# KiCad board PC110.kicad_pcb (continued)
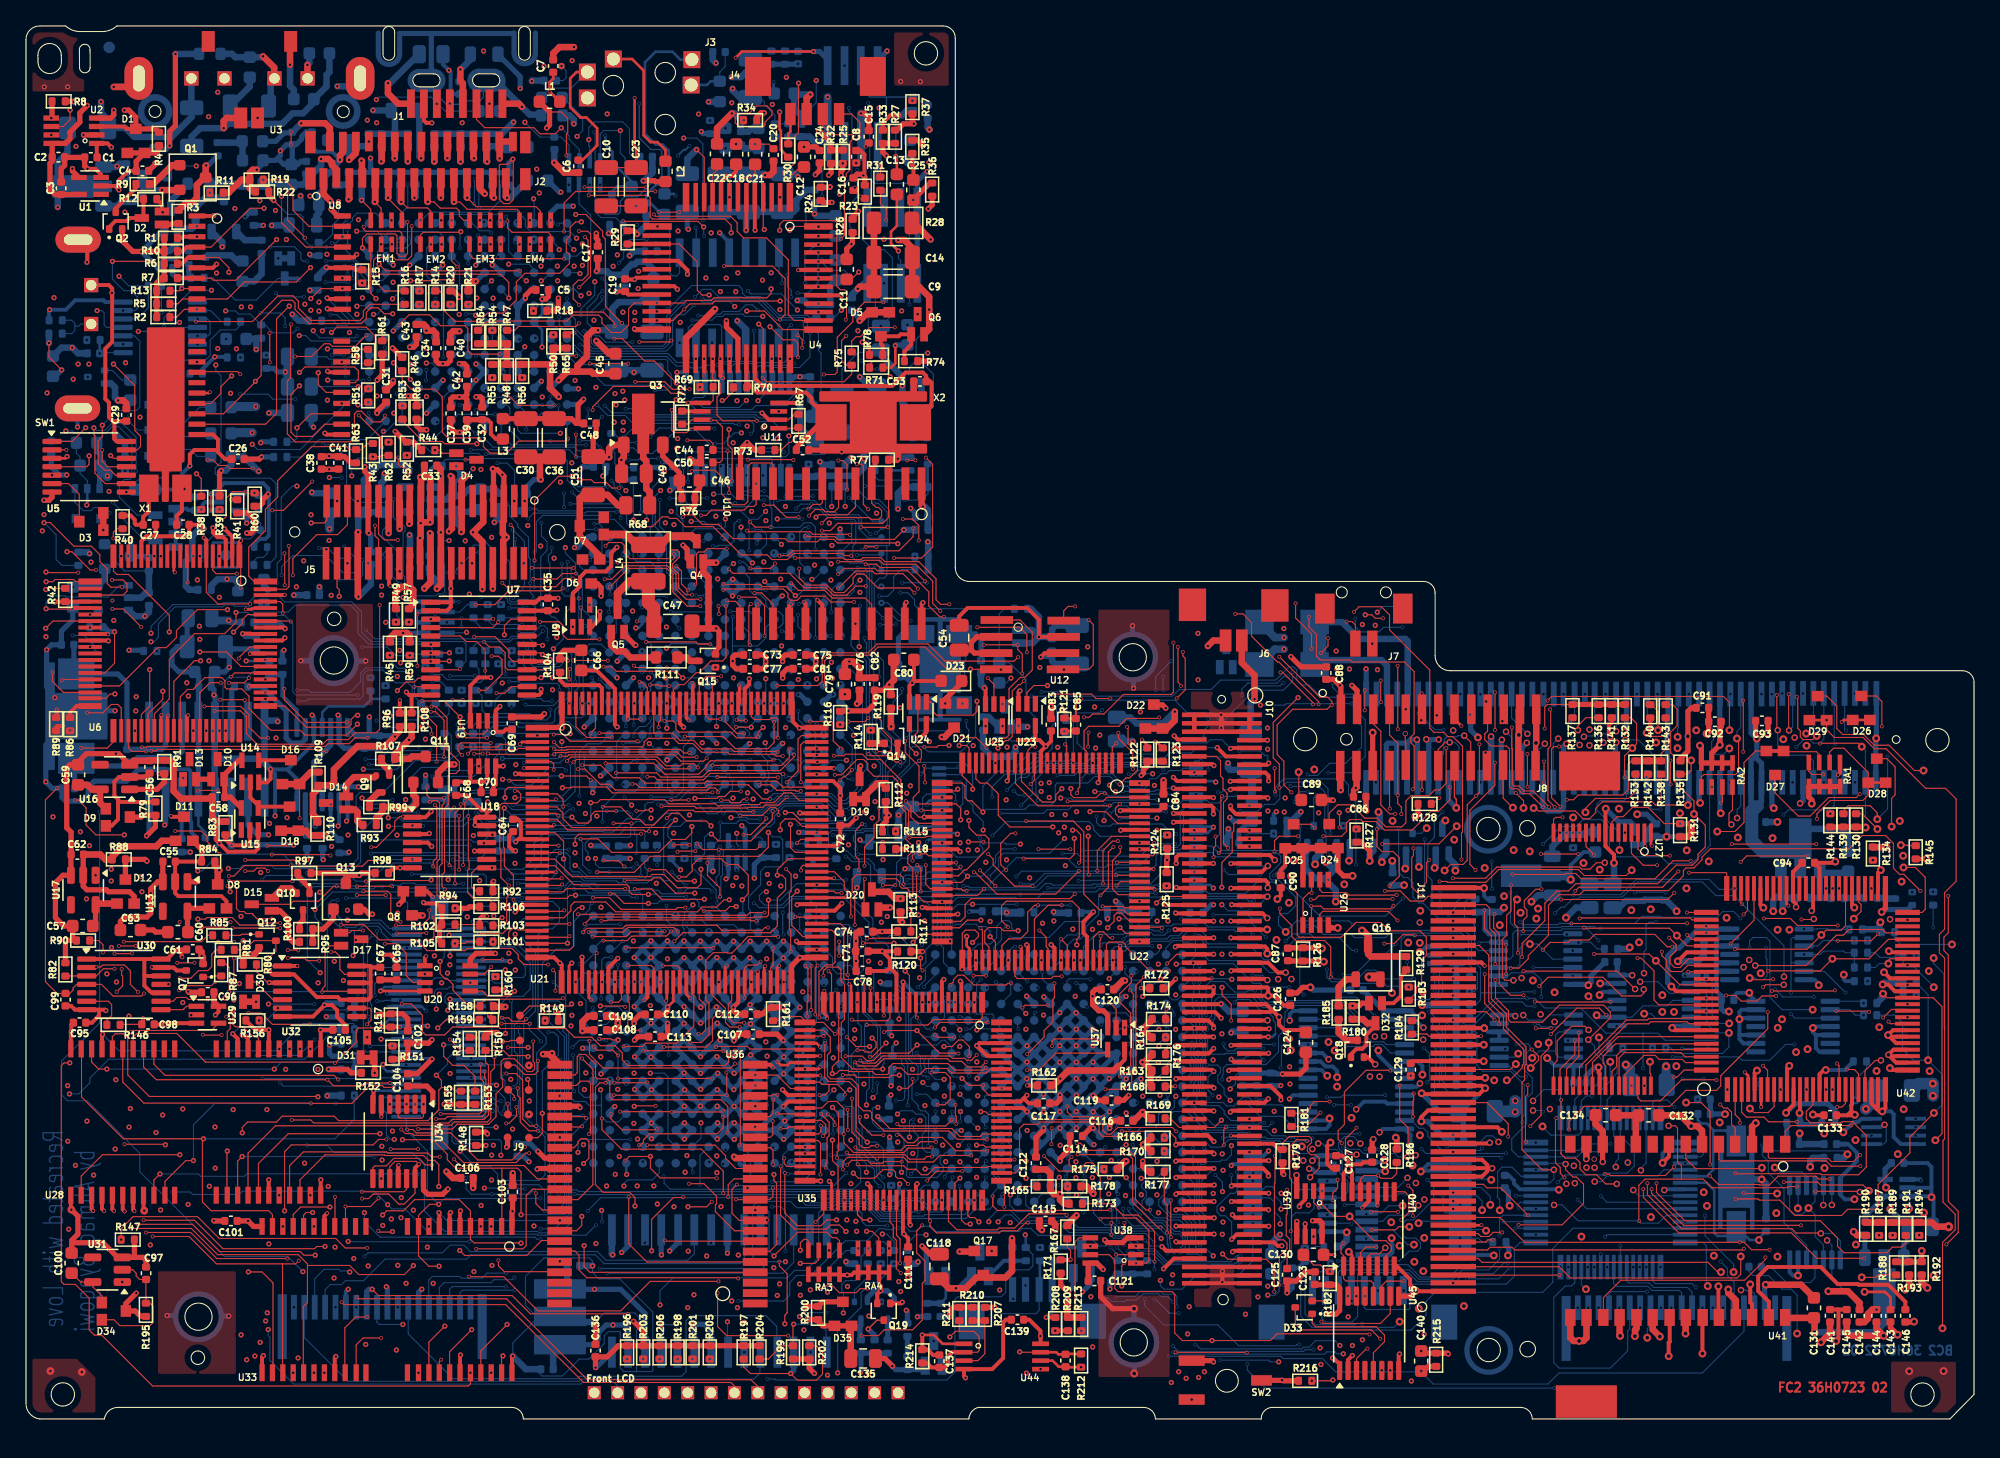
[diagram p0: board, top side]
## Routing (per net, layer and track width the routed paths; a pad name or vN(x,y) marks a point on that pad's centre or on a via; arc(x,y) is an arc through that point) (continued)
U61_RAM_UCASL#: length 37.4
  FC2 w0.3: R159.2 35.69,31.02 v3(35.69,31.19)
  FC1 w0.08: v1(36.03,38.76) 36.34,38.45 36.34,36.6 35.51,35.77 35.51,31.37 v3(35.69,31.19)
  BC1 w0.08: v7(41.9,54.41) 41.9,53.92 41.67,53.69 41,53.69 40.39,53.08 40.39,38.96 40.46,38.89 40.46,38.59 v7(40.48,38.57) ; v7(42.03,59.07) 43.39,59.07 v7(43.47,58.99)
  BC2 w0.08: v1(36.03,38.76) 36.03,38.27 36.4,37.9 37.67,37.9 38.34,38.57 v7(40.48,38.57) ; 43.66,59.2 43.47,59.01 v7(43.47,58.99) ; v7(42.03,59.07) 42.03,55.39 41.9,55.26 v7(41.9,54.41)
U61_RAM_UCASU#: length 20.2
  BC1 w0.08: v7(38.57,60.91) 38.57,60.27 38.68,60.16 38.68,59.73 38.59,59.64 v7(38.59,59.42) ; v7(42.31,56.82) 42.63,56.82 42.78,56.67 46.91,56.67 47.44,57.2 v7(47.44,57.56)
  BC2 w0.08: R261.1 34.47,61.57 35.13,60.91 v7(38.57,60.91) ; v7(38.59,59.42) 38.88,59.13 38.88,58.18 39.09,57.97 41.09,57.97 41.34,58.22 41.34,58.86 41.87,59.39 42.15,59.39 42.31,59.23 v7(42.31,56.82)
U61_RTCBAT_470K: length 25.6
  BC1 w0.08: v7(60.2,56.65) 60.2,58.65 60.7,59.15 61.93,59.15 62.38,59.6 62.38,61.06 62.59,61.27 64.67,61.27 64.73,61.21 v7(65.79,61.21) ; v7(67.67,70.81) 67.18,70.81 66.55,70.18 66.55,65.21 67,64.76 v7(67,61.24)
  BC2 w0.08: v7(65.79,61.21) 66.97,61.21 v7(67,61.24) ; v7(67.67,70.81) 68.99,70.81 69.48,71.3 R248.1 69.45,71.85
  BC2 w0.2: Q26.3 69.45,71.85
U71_OR1_IN2: length 124.7
  FC2 w0.08: U7.19 39.72,59.69 v1(39.79,59.61)
  IC3 w0.08: v1(39.79,59.61) 40.38,59.02 40.86,59.02 41.37,59.53 45.86,59.53 47.14,58.25 51.95,58.25 53.77,56.43 63.2,56.43 64.47,57.7 71.72,57.7 72.05,57.37 73.45,57.37 73.88,57.8 77.02,57.8 77.65,57.17 79.23,57.17 81.95,54.45 85.17,54.45 86.1,53.52 91.44,53.52 91.7,53.78 92.56,53.78 93.03,54.25 93.03,55.55 93.53,56.05 98.73,56.05 100.92,53.86 104.01,53.86 107.27,50.6 109.66,50.6 110.26,51.2 110.26,52.73 v4(109.93,53.06)
  IC4 w0.08: v2(114.94,28.15) 114.94,29.72 113.79,30.87 113.79,33.75 116.79,36.75 116.79,38.09 117.22,38.51 117.22,39.64 113.91,42.94 107.82,42.94 106.56,44.2 106.56,46.65 109.5,49.59 111.26,49.59 112.37,50.7 112.37,52.92 112.02,53.27 110.68,53.27 110.47,53.06 v4(109.93,53.06)
  BC2 w0.08: v2(114.94,28.15) 114.67,27.88 U71.2
U106_1CLK: length 51.6
  FC2 w0.08: R80.2 17.75,34.48 18.6,33.63 v1(18.74,33.63)
  FC2 w0.2: v3(11.47,65.24) 11.39,65.32 U6.11
  FC2 w0.3: v1(18.74,33.63) 18.76,33.61 U32.3
  FC1 w0.08: 8.18,63.06 8.18,63.46 8.65,63.93 10.14,63.93 11.45,65.24 v3(11.47,65.24) ; 8.18,63.06 6.67,63.06 v6(6.66,63.07) ; 8.18,63.06 8.18,60.73 8.38,60.53 8.38,58.64 7.49,57.75 7.49,50.96 5.9,49.37 5.9,43.11 6.08,42.93 6.08,40.17 5.98,40.07 5.98,36.94 v1(6.59,36.33)
  IC3 w0.08: v1(6.59,36.33) 7.84,35.08 17.29,35.08 v1(18.74,33.63)
UNKNOWN1: length 40.7
  FC2 w0.08: v3(49.36,57.91) 46.96,57.91 v3(46.82,58.05) ; v3(44.17,60.08) 41.7,60.08 41.33,60.45 41.33,61.17 41.07,61.43 v3(39.59,61.43) ; v3(36.37,61.41) 35.95,60.99 U7.4
  FC1 w0.08: v3(39.59,61.43) 39.57,61.41 v3(36.37,61.41) ; v3(44.17,60.08) 44.79,60.08 v3(46.82,58.05) ; v3(49.36,57.91) 49.36,59.37 v1(49.33,59.4)
  BC1 w0.08: v7(61.46,52.86) 61.07,53.25 60.65,53.25 59.95,53.95 59.42,53.95 59.12,54.25 59.12,54.74 59.22,54.84 59.22,55.13 59.04,55.31 58.82,55.31 58.08,54.57 v7(56.44,54.57) ; v7(53.52,54.56) 53.52,56.51 53.23,56.8 v7(53.23,58.53)
  BC2 w0.08: v7(53.23,58.53) 53.23,59.22 52.7,59.75 49.68,59.75 v1(49.33,59.4) ; v7(53.52,54.56) 56.43,54.56 v7(56.44,54.57)
UNKNOWN2: length 48
  FC2 w0.08: v3(56.02,46.79) 56.01,46.8 51.52,46.8 51.41,46.91 49.49,46.91 48.36,45.78 47.7,45.78 47.27,46.21 46.76,46.21 45.8,47.17 v3(44.43,47.17) ; v3(35.37,57.66) 35.37,59.25 34.71,59.91 33.9,59.91 33.48,60.34 U7.5
  FC1 w0.08: v3(56.02,46.79) 56.01,46.8 v1(56.01,47.77) ; v3(35.37,57.66) 35.37,56.36 36.19,55.54 42.1,55.54 42.27,55.37 42.27,53.46 43.18,52.55 43.18,49.05 43.38,48.85 43.78,48.85 44.43,48.2 v3(44.43,47.17)
  BC1 w0.08: v7(58.73,53.92) 58.22,53.92 58.03,53.73 58.03,52.63 57.85,52.45 57.85,51.47 58.04,51.28 58.57,51.28 58.93,50.92 58.93,50.53 58.65,50.25 56.37,50.25 55.92,49.8 55.92,48.72 56.01,48.63 v1(56.01,47.77)
VGA_ADDHI: length 39.5
  FC2 w0.08: v3(51.31,63.52) 50.81,63.52 50.27,64.06 50.27,65.12 49.81,65.58 49.81,65.89 50.33,66.41 50.33,66.81 50.17,66.97 49.77,66.97 49.62,66.82 49.62,66.37 49.56,66.3 46.52,66.3 46.08,66.74 46.08,67.33 45.87,67.54 44.89,67.54 v3(44.64,67.29)
  FC2 w0.25: v3(51.34,56.72) 51.36,56.7 51.36,55.15
  FC1 w0.08: v1(39.77,78.76) 39.77,76.04 40.55,75.26 43.23,75.26 43.65,74.84 43.65,68.28 v3(44.64,67.29) ; v3(51.31,63.52) 51.31,63.07 51.19,62.95 51.19,57.18 51.34,57.03 v3(51.34,56.72)
  BC1 w0.08: v1(39.77,78.76) 39.06,78.76 38.58,79.24 38.58,79.77 38.01,80.34 37.11,80.34 v7(36.78,80.67)
  BC2 w0.08: v7(36.78,80.67) 36.65,80.67 U51.J10
VGA_Blue: length 143.2
  IC1 w0.08: v1(28.31,81.39) 27.43,81.39 v1(25.59,79.55) ; v4(114,52.96) 113.17,53.79 105.34,53.79 104.47,52.92 104.47,52.5 104.15,52.18 104.15,46.81 v2(104.18,46.78)
  IC3 w0.08: v2(104.18,46.78) 104.17,46.78 102.21,44.82 91.1,44.82 90.65,45.27 90.65,49.78 89.55,50.88 82.14,50.88 81.67,51.35 81.67,52.11 79.95,53.83 74.83,53.83 74.74,53.74 62.56,53.74 61.08,55.22 39.46,55.22 38.59,56.09 32,56.09 29.81,58.28 v1(28.85,58.28)
  IC4 w0.08: v1(28.85,58.28) 28.77,58.36 28.37,58.36 25.97,60.76 25.97,61.13 25.98,61.15 25.98,63.95 24.92,65.02 24.92,68.83 28.22,72.13 28.22,74.58 26.18,76.62 26.18,80.07 27.5,81.39 v1(28.31,81.39)
  BC2 w0.08: R264.1 25.58,79.56 v1(25.59,79.55) ; v4(114,52.96) 114.43,52.53 J13.65 ; U51.C10 28.97,80.72 28.31,81.38 v1(28.31,81.39)
  BC2 w0.5: D54.3 104.28,46.68 v2(104.18,46.78)
VGA_CLK: length 55.4
  IC1 w0.08: v1(24.88,43.68) 25.6,43.68 25.73,43.55 29.4,43.55 30.02,42.93 37.36,42.93 37.47,42.82 v1(37.67,42.82)
  IC4 w0.08: v1(37.67,42.82) 38.05,42.82 38.34,43.11 38.34,51.7 37.98,52.06 37.98,81.74 38.42,82.18 v1(38.42,82.63)
  BC2 w0.08: U51.K9 38.42,82.54 v1(38.42,82.63)
  BC2 w0.4: R350.1 24.82,43.62 v1(24.88,43.68)
VGA_Green: length 134.8
  IC1 w0.08: v1(22.15,76.43) 23.01,76.43 24.73,78.15 v1(25.57,78.15)
  IC3 w0.08: v1(28.6,57.22) 29.11,56.71 29.5,56.71 29.77,56.44 30.83,56.44 31.53,55.74 38.28,55.74 39.17,54.85 60.76,54.85 62.26,53.35 74.49,53.35 75.14,52.7 80.16,52.7 81.18,51.68 81.18,51.23 81.91,50.5 89.16,50.5 90.21,49.45 90.21,45.01 90.81,44.41 106.72,44.41 107.84,45.53 v2(107.89,45.53) 107.89,46.11 110.22,48.44 113.33,48.44 116.93,52.04 v4(116.99,52.04)
  IC4 w0.08: v1(28.6,57.22) 28.6,57.25 25.06,60.79 25.06,64.08 24.53,64.61 24.53,69.16 26.67,71.3 26.67,75.42 25.79,76.3 25.79,77.16 25.57,77.38 v1(25.57,78.15)
  BC2 w0.08: v1(25.57,78.15) 25.6,78.18 U51.A12 ; v4(116.99,52.04) 116.03,51.08 J13.67 ; D53.3 107.49,45.13 v2(107.89,45.53)
  BC2 w0.4: R273.1 21.97,76.61 v1(22.15,76.43)
VGA_HSync: length 135.3
  FC2 w0.08: R53.1 29,76.91 30.58,75.33 32.07,75.33 32.25,75.15 v1(34.73,75.15)
  IC2 w0.08: v1(36.69,56.71) 36.69,58.57 36.2,59.06 36.2,62.85 37.62,64.27 37.62,68.86 35.54,70.94 35.54,74.34 v1(34.73,75.15)
  IC3 w0.08: v1(95.64,51.61) 94.34,51.61 93.71,52.24 88.75,52.24 88.68,52.17 87.88,52.17 87.33,52.72 83.56,52.72 83.09,52.25 82.16,52.25 80.11,54.3 65.9,54.3 65.75,54.15 62.94,54.15 61.43,55.66 39.66,55.66 38.58,56.74 38.53,56.74 38.5,56.71 v1(36.69,56.71)
  IC4 w0.08: v4(115.65,52.8) 115.65,53.31 115.21,53.75 107.35,53.75 103.74,57.36 97.81,57.36 96.4,55.95 96.4,52.15 95.86,51.61 v1(95.64,51.61)
  BC1 w0.08: v1(95.64,51.61) 96.16,51.09 96.16,50.44 97.72,48.88 97.72,48.4 97.43,48.11 97.43,46.44 96.9,45.91 95.72,45.91 95.36,45.55 95.36,44.69 95.73,44.32 98.66,44.32 100.05,45.71 v7(101.47,45.71)
  BC2 w0.08: J13.36 114.43,54.02 v4(115.65,52.8)
VGA_Red: length 146.3
  IC1 w0.08: v4(118.02,52.43) 118.02,51.27 117.83,51.08 117.83,49.78 117.14,49.09 109.89,49.09 109.26,48.46 109.26,46.55 109.33,46.48 v2(109.33,46.12) 109.28,46.07 109.28,45.35 108.84,44.91 88.64,44.91 87.72,45.83 87.72,47.26 86.85,48.13 85.95,48.13 84.16,49.92 67.46,49.92 66.93,49.39 64.01,49.39 63.21,50.19 49.01,50.19 48.69,50.51 37.82,50.51 v1(37.73,50.42) ; v1(30.84,82.52) 30.84,82.68 28.97,84.55 26.24,84.55 25.65,83.96 25.65,81.93 v1(25.56,81.84)
  IC4 w0.08: v1(37.73,50.42) 37.66,50.49 37.66,51.72 37.58,51.8 37.58,81.47 36.53,82.52 v1(30.84,82.52)
  BC2 w0.08: R267.1 23.16,81.86 23.34,81.68 24.73,81.68 24.9,81.84 v1(25.56,81.84) ; v4(118.02,52.43) 117.63,52.04 J13.69 ; v1(30.84,82.52) 30.31,81.99 U51.D9
  BC2 w0.5: v2(109.33,46.12) 109.09,45.88 D52.3
VGA_VSync: length 147
  FC2 w0.08: R46.1 28.98,80.05 29.67,79.36 31.47,79.36 32.07,78.76 32.07,76.03 32.5,75.6 34.92,75.6 35.23,75.29 35.23,74.94 35.74,74.43 37.02,74.43 37.95,75.36 41.56,75.36 v3(41.75,75.55) ; v3(43.65,77.74) 43.65,77.99 45.23,79.57 49.16,79.57 49.69,79.04 v3(50.49,79.04)
  FC1 w0.08: v3(50.49,79.04) 50.51,79.06 50.51,79.87 50.58,79.94 50.58,83.44 51.25,84.11 51.25,86.27 52.04,87.06 52.77,87.06 52.95,86.88 v1(53.49,86.88) ; v3(43.65,77.74) 41.75,75.84 v3(41.75,75.55)
  BC1 w0.08: v7(116.88,55.86) 115.14,54.12 109.69,54.12 108.82,53.25 105.54,53.25 v7(102.47,50.18) ; v1(53.49,86.88) 53.53,86.88 54.42,87.77 54.45,87.77 54.52,87.84 56.23,87.84 56.52,88.13 56.94,88.13 57.23,87.84 60.29,87.84 62.15,85.98 63.07,85.98 63.26,85.79 63.26,80.42 65.11,78.57 65.11,77.49 65.72,76.88 65.72,72.08 66.48,71.32 68.25,71.32 68.56,71.01 68.56,69.9 68.07,69.41 67.58,69.41 66.76,68.59 66.76,65.36 67.18,64.94 67.18,64.17 67.35,64 v7(67.35,63.67) ; v7(99.42,48.09) 99.42,48.91 v7(100.31,49.8) ; 103.86,51.57 103.11,52.32 103.11,53.14 100.29,55.96 96.58,55.96 96.14,56.4 96.14,61.76 95.47,62.43 90.55,62.43 89.52,63.46 86.49,63.46 85.49,62.46 74.34,62.46 v7(74.32,62.48)
  BC2 w0.08: v7(74.32,62.48) 74.28,62.44 68.73,62.44 68.44,62.73 68.44,63.15 67.92,63.67 v7(67.35,63.67) ; v7(99.42,48.09) 99.19,47.86 D57.3 ; v7(102.47,50.18) 102.09,49.8 v7(100.31,49.8)
YellowWire1_2: length 125.7
  FC2 w0.08: v3(47.76,59.88) 51.61,59.88 51.78,59.71 52.7,59.71 v3(52.71,59.7) ; v3(99.71,23.61) 98.64,22.54 R181.1 ; v3(53.55,47.69) 54.11,47.69 54.32,47.48 54.95,47.48 55.23,47.76 v3(55.51,47.76)
  FC1 w0.08: v3(52.71,59.7) 53.11,59.3 v3(53.11,57.92) 52.84,57.65 52.84,55.2 53.89,54.15 53.89,48.74 53.61,48.46 53.61,48.12 53.55,48.06 v3(53.55,47.69) ; v3(47.06,61.46) 47.47,61.46 47.76,61.17 v3(47.76,59.88) ; v3(55.51,47.76) 55.51,47.34 55.72,47.13 55.72,43.35 v1(57.11,41.96) ; v3(99.71,23.61) 100.96,23.61 101.82,22.75 105.16,22.75 106,21.91 106,19.72 106.19,19.53 v2(106.8,19.53)
  IC1 w0.08: v2(115.12,39.01) 115.08,39.05 114.24,39.05 114.06,38.87 112.92,38.87 111.36,40.43 108.39,40.43 108.25,40.57 96.98,40.57 96.15,41.4 87.96,41.4 87.67,41.11 67.91,41.11 67.55,41.47 62.98,41.47 61.9,42.55 57.7,42.55 v1(57.11,41.96)
  IC4 w0.08: v2(115.12,39.01) 115.12,38.27 110.56,33.71 110.56,21.12 108.97,19.53 v2(106.8,19.53)
YMF_CLK: length 15.2
  FC2 w0.3: v1(31.07,45.12) 31.02,45.07 29.77,45.07
  IC4 w0.08: v1(28.05,54.19) 28.49,53.75 28.95,53.75 30.22,52.48 30.22,52.36 32.08,50.5 32.08,46.13 v1(31.07,45.12)
  BC1 w0.08: v1(28.05,54.19) 28.05,54.76 27.7,55.11 v7(27.7,56.51)
YMF_CS#_Buf: length 263.6
  FC2 w0.08: v1(67.15,67.45) 67.09,67.51 62.5,67.51 62.23,67.78 61.13,67.78 60.95,67.6 58.72,67.6 58.48,67.84 54.45,67.84 53.35,68.94 52.1,68.94 51.37,69.67 50.76,69.67 v3(50.6,69.51) ; v3(53.34,10.6) 48.08,10.6 45.81,8.33 39.43,8.33 36.8,10.96 v3(34.13,10.96)
  FC1 w0.08: v3(48.64,91.9) 48.25,91.51 48.25,86.79 47.9,86.44 47.9,83.67 48.25,83.32 48.25,71.28 48.68,70.85 49.57,70.85 50.16,70.26 50.16,69.95 v3(50.6,69.51) 50.6,68.42 49.3,67.12 49.3,66.66 49.62,66.34 50.23,66.34 50.6,65.97 50.6,64.41 50.07,63.88 50.07,57.72 49.98,57.63 49.98,56.26 49.02,55.3 49.02,54.83 50.01,53.84 50.01,46.83 50.47,46.37 50.47,42.92 50.88,42.51 50.88,40.19 50.43,39.74 50.43,38.74 50.5,38.67 50.5,37.4 50.28,37.18 50.28,36.46 50.08,36.26 50.08,17.39 50.28,17.19 50.28,16.83 50.39,16.72 50.39,15.52 53.34,12.57 v3(53.34,10.6) ; v3(29.97,24.25) 29.97,23.06 29.81,22.9 29.81,19.6 30.9,18.51 32.42,18.51 33.4,17.53 33.4,17.16 34.07,16.49 34.07,11.02 v3(34.13,10.96)
  IC2 w0.08: v1(67.15,67.45) 65.96,66.26 65.96,61.31 68.94,58.33 75.96,58.33 77.23,57.06 77.23,54.57 77.8,54 77.8,50.8 77.27,50.27 77.27,45.41 78.84,43.84 101.88,43.84 102.63,43.09 102.63,42.38 104.74,40.27 112.7,40.27 113.27,40.84 116.09,40.84 117.71,42.46 119.24,42.46 120.59,41.11 120.59,38.2 121.74,37.05 121.74,35.47 123.52,33.69 v4(124.33,33.69)
  BC1 w0.08: v7(133.74,21.07) 133.74,25.65 133.58,25.81 130.21,25.81 129.9,26.12 129.9,32.98 v7(129.38,33.5)
  BC2 w0.08: U66.2 127.52,33.56 127.22,33.26 127.22,33.09 126.93,32.8 126.6,32.8 125.71,33.69 v4(124.33,33.69) ; v7(133.74,21.07) 133.74,20.32 134.2,19.86 134.2,18.96 135.41,17.75 135.41,15.12 137.15,13.38 U64.12
  BC2 w0.3: v7(129.38,33.5) 129.32,33.56 U66.2
YMF_RD#_Buf: length 127.2
  FC2 w0.08: v3(27.14,14.5) 27.24,14.4 28.19,14.4 v1(28.23,14.44)
  FC1 w0.08: v3(28.02,24.25) 27.44,24.25 26.7,23.51 26.7,21.19 26.78,21.11 26.78,16.76 26.98,16.56 26.98,15.04 27.14,14.88 v3(27.14,14.5)
  IC3 w0.08: v1(28.23,14.44) 28.87,14.44 29.79,15.36 39.73,15.36 42.13,12.96 44.01,12.96 46.58,15.53 54.12,15.53 55.2,16.61 87.53,16.61 87.59,16.67 89.8,16.67 90.48,15.99 91.55,15.99 91.84,15.7 92.23,15.7 92.82,16.29 93.79,16.29 94.35,15.73 96.76,15.73 97.23,16.2 97.23,16.43 97.77,16.97 105.4,16.97 105.94,16.43 v2(106.03,16.43)
  BC1 w0.08: v7(119.59,28.51) 119.59,27.23 119.81,27.01 119.81,21.57 118.92,20.68 117.44,20.68 117.23,20.47 v7(114,20.47) ; v7(103.25,15.77) 103.24,15.78 103.24,20.74 v7(103.19,20.79) ; v7(104.18,20.77) 104.2,20.79 v7(107.5,20.79)
  BC2 w0.08: v7(103.19,20.79) 104.16,20.79 v7(104.18,20.77) ; v2(106.03,16.43) 104.97,16.43 104.42,15.89 U72.18 103.25,15.87 v7(103.25,15.77) ; U71.12 119.22,28.51 v7(119.59,28.51) ; v7(114,20.47) 113.99,20.46 107.83,20.46 v7(107.5,20.79)
YMF_SA0_A0: length 195.5
  FC2 w0.08: v3(48.36,92.82) 48.5,92.68 54.28,92.68 54.78,92.18 54.78,91.51 55.27,91.02 57.03,91.02 58.72,89.33 58.72,85.11 59.18,84.65 U4.41 ; v3(25.87,17.51) 29.13,17.51 29.32,17.7 U34.12 ; v3(8.93,51.76) 9.26,51.76 9.33,51.83 23.04,51.83 23.25,52.04 24.9,52.04 25.34,52.48 v3(26.32,52.48) ; v3(36.24,55.93) 36.89,55.93 37.4,56.44 38.6,56.44 ; v3(8.88,61.03) 7.49,62.42 v6(6.66,62.42) ; v3(32.85,55.4) 33.62,55.4 v3(33.63,55.41)
  FC1 w0.08: v3(36.24,55.93) 36.24,57.43 35.67,58 34.68,58 33.63,56.95 v3(33.63,55.41) ; v3(48.36,92.82) 45.65,92.82 44.83,93.64 44.83,96.91 44.05,97.69 27.79,97.69 26.66,98.82 11,98.82 7.62,95.44 v1(7.62,93) ; v3(25.87,17.51) 25.87,17.95 25.8,18.02 25.8,20.2 25.54,20.46 25.54,25.22 25.7,25.38 25.7,32.55 26.7,33.55 26.7,37.29 27.51,38.1 27.51,39.77 27.27,40.01 27.27,44.75 26.68,45.34 26.68,48.16 26.8,48.28 26.8,51.27 26.32,51.75 v3(26.32,52.48) 26.32,53.35 26.69,53.72 28.61,53.72 29.08,54.19 31.64,54.19 v3(32.85,55.4) ; v3(8.93,51.76) 8.93,55.84 8.88,55.89 v3(8.88,61.03)
  IC1 w0.08: v6(6.66,62.42) 5.38,62.42 2.29,65.51 2.29,70.79 1.27,71.81 1.27,91.47 2.8,93 v1(7.62,93)
YMF_VSS_Res: length 19.2
  FC2 w0.08: v3(69.19,51.78) 70.16,51.78 70.28,51.9 v1(71.1,51.9)
  FC2 w0.5: v3(66.64,53.36) 66.62,53.38 R119.1
  FC1 w0.08: v3(66.64,53.36) 67.64,53.36 68.31,52.69 68.31,52.25 68.58,51.98 68.99,51.98 v3(69.19,51.78)
  BC1 w0.08: v1(71.1,51.9) 71.1,52.81 70.82,53.09 62.39,53.09 61.92,53.56 v7(60.91,53.56)
  BC2 w0.08: v7(60.91,53.56) 60.83,53.56 60.4,53.99 60.18,53.99
YMF_WR#_Buf: length 118.7
  FC1 w0.08: v1(28.14,15.41) 28.14,15.69 27.48,16.35 27.48,17.33 27.43,17.38 27.43,18.47 v3(27.37,18.53)
  IC3 w0.08: v4(107.24,16.46) 106.53,17.17 97.56,17.17 97.06,16.67 94.97,16.67 94.26,17.38 92.65,17.38 91.59,16.32 91.09,16.32 90.51,16.9 87.2,16.9 87.1,16.8 55.04,16.8 53.97,15.73 45.73,15.73 44.49,16.97 32.09,16.97 32.03,17.03 29.76,17.03 v1(28.14,15.41)
  BC1 w0.08: v7(109.32,26.38) 109.04,26.38 108.57,25.91 108.57,25.55 108.97,25.15 108.97,24.67 108.84,24.54 108.84,17.85 108.37,17.38 107.16,17.38 106.93,17.15 106.93,16.77 v4(107.24,16.46) ; v7(116.21,30.41) 116.21,31.8 v7(116.2,31.81) ; v7(110.72,30.36) v7(109.44,30.36)
  BC2 w0.08: U72.17 104.51,15.24 104.97,15.7 106.48,15.7 v4(107.24,16.46) ; v7(116.2,31.81) 115.57,31.81 115.24,32.14 113.3,32.14 111.52,30.36 v7(110.72,30.36) ; U71.9 118.27,30.48 118,30.21 116.73,30.21 116.53,30.41 v7(116.21,30.41) ; v7(109.44,30.36) 109.32,30.24 v7(109.32,26.38)
Net-(C1--): length 14.6
  FC2 w0.1: v3(17.84,100.26) 17.74,100.26
  FC2 w0.3: C1.2 5.45,97.25 U2.1 6.28,98.3 v1(6.58,98)
  FC1 w0.1: v3(17.84,100.26) 15.07,100.26 14.31,99.5 8.08,99.5 v1(6.58,98)
Net-(C4-+): length 8.4
  FC2 w0.3: C4.1 7.88,96.18 7.16,95.46 v1(7.16,94.71) 6.85,95.02 U1.2
  FC2 w0.4: C4.1 8.49,96.92 D1.1 ; R4.1 10.24,97.83 9.98,97.57 D1.1 ; D1.1 D1.3
Net-(C7-+): length 15.9
  FC2 w0.2: L1.2 v3(40.33,102.3) 40.33,103.02 40.61,103.3 C7.1
  FC2 w0.3: v1(31.26,99.88) 30.84,99.88 30.65,100.07 J1.7
  FC1 w0.08: v1(31.26,99.88) 31.21,99.93 31.21,101.65 31.63,102.07 40.1,102.07 v3(40.33,102.3)
Net-(C10-+): length 16.2
  FC2 w0.1: v3(47,93.49) C10.1
  FC1 w0.1: 47.01,93.5 v3(47,93.49)
  FC1 w0.2: v1(52.58,101.5) 52.37,101.29 47.73,101.29 47.01,100.57 47.01,93.5
  BC2 w0.1: 53.43,101.5 L7.1
  BC2 w0.5: v1(52.58,101.5) 53.43,101.5
Net-(C10--): length 27.4
  FC2 w0.08: C23.2 C10.2
  FC2 w0.2: v3(46.89,101.79) 46.88,101.78 46.88,98.09 47,97.97 C23.2 ; v1(60.66,105.38) 55.14,105.38 v3(54.66,104.9)
  FC1 w0.2: v3(46.89,101.79) 46.9,101.8 52.18,101.8 52.63,102.25 52.63,102.87 v3(54.66,104.9)
  BC2 w0.2: R227.2 58.5,105.39 C154.2 59.48,105.38 v1(60.66,105.38)
  BC2 w0.4: U47.1 61.75,104.76 61.13,105.38 v1(60.66,105.38)
Net-(C11-+): length 32.9
  FC2 w0.08: R72.1 50.97,76.66 51.31,77 U11.7 52.12,76.96 v3(52.76,76.96) 53.14,76.96 53.64,76.46 53.64,73.91 53.44,73.71 C50.2 ; 63.22,87.82 63.58,87.82 v1(64.14,88.38)
  FC1 w0.08: v1(64.14,88.38) 62.81,89.71 62.81,90.39 61.76,91.44 60.64,91.44 60.18,90.98 60.18,83.75 59.24,82.81 56.68,82.81 54.37,80.5 54.37,77.7 53.63,76.96 v3(52.76,76.96)
Net-(C12-+): length 3
  FC2 w0.08: C12.1 59.62,96.48 58.84,95.7 U4.1
Net-(C12--): length 6.6
  FC2 w0.4: C24.2 60.85,98.03 v3(59.93,98.03)
  FC1 w0.08: v3(59.93,98.03) 59.93,97.18 59.49,96.74 58.32,96.74 58.09,96.51 v3(58.09,94.15)
Net-(C13-+): length 7.3
  FC2 w0.2: v1(67.2,90.01) 66.63,90.58 66.63,91.49 67.08,91.94 C13.1
  BC2 w0.08: U48.6 67.39,89.27 67.2,89.45 v1(67.2,90.01)
Net-(C13--): length 13.7
  FC2 w0.1: v1(67,97.29) 67.08,97.21
  FC2 w0.2: 67.08,97.21 C13.2
  BC2 w0.1: U47.3 64.3,102.56 64.99,101.87 66.26,101.87 ; 66.26,101.87 66.28,101.85 66.28,100.37 67,99.65 v1(67,97.29) ; 66.26,101.87 R218.2 68.56,101.87 69.16,101.27 R217.2
Net-(C15--): length 32.4
  FC2 w0.4: v1(61.04,99.2) 61.18,99.2 62.01,98.37 R32.2 R25.2 ; C15.2 64.92,100.28 64.59,100.61 v1(64.31,100.61) ; R34.2 56.29,100.34 56.61,100.66 v1(56.86,100.66) ; v1(69.09,98.11) 68.65,98.55 R35.2 ; v1(64.11,93.06) 63.67,92.62 R26.2
  FC1 w1: v1(64.11,93.06) 65.21,93.06 68.03,95.88 68.03,96.7 68.21,96.88 68.21,97.44 68.88,98.11 v1(69.09,98.11) 68.2,98.11 67.54,98.77 66.09,98.77 64.31,100.55 v1(64.31,100.61) 63.35,100.61 61.94,99.2 v1(61.04,99.2) 57.4,99.2 56.86,99.74 v1(56.86,100.66)
  BC2 w0.6: v1(64.31,100.61) 64.31,98.47 U47.6
Net-(C18--): length 2.1
  FC1 w0.08: v3(55.27,100.09) 55.27,98.82 v3(54.7,98.25)
Net-(C20--): length 6.7
  FC2 w0.08: v3(56.16,98.24) 57.23,98.24 C20.2
  FC1 w0.08: v3(56.16,98.24) 56.16,95.69 54.62,94.15 v3(54.19,94.15)
Net-(C21-+): length 3.4
  FC2 w0.08: U4.7 54.84,95.25 55.22,95.63 55.76,95.63 56.16,96.03 C21.1
Net-(C22-+): length 2.7
  FC2 w0.08: C22.1 53.23,96.26 52.89,95.92 U4.10
Net-(C25-+): length 11
  FC2 w0.08: v3(68.35,93.94) 68.48,93.94
  FC2 w0.4: R36.2 69.63,95.25 68.48,94.11 68.48,93.94
  FC1 w0.08: v3(68.68,85.14) 68.66,85.16 68.66,93.63 v3(68.35,93.94)
Net-(C30--): length 9.9
  FC2 w0.4: 42.52,76.72 42.52,78.15 v1(42.95,78.58) ; 42.52,76.72 C48.1 ; 42.52,76.72 42.38,76.72 42.02,77.09 C36.2 C30.2 36.73,77.09 L3.2
  BC2 w0.4: U51.N12 42.55,78.18 v1(42.95,78.58)
Net-(C46-+): length 4.7
  FC2 w0.4: R76.1 50.51,71.46 50.34,71.64 50.34,72.92 49.05,74.2 Q3.3
Net-(C46--): length 7.4
  FC2 w0.4: v1(50.61,67.34) 50.93,67.02 50.93,66.33 Q4.2 ; v1(50.61,70.13) 51.26,70.13 51.53,70.4 R76.2 51.53,71.38 51.89,71.74 C46.2
  IC1 w0.4: v1(50.61,70.13) v1(50.61,67.34)
Net-(C47-+): length 7.8
  FC2 w0.6: Q5.3 45.57,63.63 46.5,64.56 L4.1
  FC2 w1: L4.1 47.94,62.91 48.36,62.5 C47.1
Net-(C49--): length 4.9
  FC2 w0.5: R68.2 48.03,71.44 47.78,71.69 C49.2 47.78,73.82 47.55,74.05 Q3.2
Net-(C60-Pad1): length 2.2
  FC2 w0.4: C60.1 9.98,37.52 9.82,37.68 8.83,37.68
Net-(C65-+): length 1.2
  FC2 w0.4: C67.1 C65.1
Net-(C85-+): length 69.5
  FC2 w0.08: v1(72.75,57.79) 72.77,57.77 U12.4 75.08,57.77 v3(75.1,57.75) ; 80.01,53.02 v3(79.98,52.99)
  FC2 w0.2: C85.1 80.01,53.02
  FC2 w0.4: R24.1 61.37,93.75 v1(62.08,93.75)
  FC1 w0.15: v3(75.1,57.75) 76.13,57.75 76.47,58.09 77.05,58.09 77.9,57.24 79.55,57.24 80.68,56.11 80.68,53.69 v3(79.98,52.99)
  IC4 w0.08: v1(62.08,93.75) 60.55,93.75 58.67,95.63 58.67,96.25 59.88,97.46 65.15,97.46 66.68,95.93 66.68,94.27 68.8,92.15 68.8,81.06 69.71,80.15 69.7,80.14 69.7,69.29 68.82,68.41 68.82,67.12 69.72,66.22 69.72,62.41 72.75,59.38 v1(72.75,57.79)
Net-(C85--): length 34.9
  FC2 w0.08: J7.2 102.4,61.19 102.14,61.45 v3(101.72,61.45) ; v3(81.85,61.58) 82.21,61.22 82.21,58.11 81.87,57.77 U12.5
  FC2 w0.15: R121.2 80.01,53.98 C85.2 80.87,55.11 v3(81.26,55.5)
  FC1 w0.08: v3(81.85,61.58) 82.31,61.58 82.57,61.84 92.31,61.84 92.56,61.59 93.46,61.59 94.02,62.15 97.77,62.15 98.65,61.27 100.82,61.27 101,61.45 v3(101.72,61.45)
  FC1 w0.15: v3(81.26,55.5) 81.26,57.19 80.7,57.75 v3(79.95,57.75)
Net-(C89--): length 13.6
  FC2 w0.08: v14(106.24,52.81) 106.24,52.1 106.28,52.06 J8.18
  FC2 w0.4: v1(100.69,47.67) 100.66,47.7 C89.2
  IC4 w0.08: v1(100.69,47.67) 100.74,47.72 105.51,47.72 106.25,48.46 106.25,52.8 v14(106.24,52.81)
Net-(C92--): length 214.9
  FC2 w0.4: RA2.3 RA2.4 129.05,51.79 v2(128.94,51.89) ; RA2.3 RA2.1 ; RA2.3 129.85,51.32 v2(130.47,51.94) 130.47,53.25 130.57,53.35 C92.2
  IC1 w0.6: v2(128.94,51.89) 130.42,51.89 v2(130.47,51.94)
  IC1 w0.7: v1(75.53,43.09) 79.25,43.09 79.65,43.49 86.29,43.49 86.66,43.86 110.98,43.86 112.36,42.48 v2(112.36,42.46) 119.25,42.46 120.31,41.4 124.34,41.4 125.47,42.53 129.18,42.53 v2(129.62,42.97)
  IC2 w0.8: v1(44.77,100.57) 44.71,100.51 42.33,100.51 40.79,102.05 38.55,102.05 v1(38.07,102.53)
  IC3 w1: v1(75.5,47.71) 75.46,47.67 71.12,47.67 70.83,47.38 67.44,47.38 66.23,48.59 64.83,48.59 63.2,46.96 61.61,46.96 59.16,49.41 47.69,49.41 46.54,50.56 43.55,50.56 42.6,49.61 v1(42.6,47.44)
  IC4 w0.7: v2(129.62,42.97) 127.57,42.97 125.51,40.91 123.5,40.91 122.44,39.85 122.44,30.99 123.73,29.7 124.59,29.7 126.33,27.96 v2(126.33,27.17)
  IC4 w0.8: v2(129.62,42.97) 129.42,43.17 129.42,45.96 129.74,46.28 129.74,50.8 129.76,50.82 129.76,51.07 v2(128.94,51.89)
  IC4 w1: v1(75.5,47.71) 75.53,47.68 v1(75.53,43.09) ; v1(42.6,47.44) 42.6,49.4 43.99,50.79 43.99,60.2 43.07,61.12 43.07,65.06 43.95,65.94 43.95,70.76 47.92,74.73 47.92,83.74 48.74,84.56 48.74,91.29 44.77,95.26 v1(44.77,100.57)
  BC2 w0.08: J13.16 130.47,55.85 ; L12.1 36.35,105.16
  BC2 w0.4: v2(130.47,51.94) 130.47,55.85 ; 36.35,105.16 38.07,103.44 v1(38.07,102.53)
  BC2 w0.7: v2(126.33,27.17) 126.33,25.8 F3.1
Net-(C129-+): length 17.8
  FC2 w0.3: v2(107.5,25.1) 107.57,25.03 111.93,25.03 v2(112.39,25.49) 112.3,25.49 112.11,25.68 109.93,25.68
  FC1 w0.08: v3(106.66,26.44) 106.66,25.94 v2(107.5,25.1)
  BC2 w0.3: F4.2 110.61,23.71 v2(112.39,25.49)
  BC2 w0.4: 110.75,21.66 110.72,21.69 110.72,23.33 F4.2 108.89,23.71 v2(107.5,25.1)
Net-(C135-+): length 9
  FC2 w0.08: 63.53,7.11 D35.1
  FC2 w0.4: v1(60.22,7.76) 60.32,7.66 R200.1 61.01,7.54 61.38,7.18 D35.3 D35.1
  FC2 w0.5: C135.1 63.53,7.11
  BC1 w0.08: v7(60.43,5.15) 60.43,7.04 60.22,7.25 v1(60.22,7.76)
  BC2 w0.08: 60.38,5.17 60.41,5.17 v7(60.43,5.15)
Net-(C147-+): length 5.2
  BC1 w0.08: v7(64.8,93.37) 65.16,93.37 68.1,96.31 v7(68.1,97.01)
Net-(C147--): length 12.4
  FC2 w0.08: C15.1 64.68,98.09 v3(64.68,98.06)
  FC2 w0.4: v3(62.91,96.76) 62.91,96.27 62.78,96.14 v1(62.78,95.85)
  FC1 w0.08: v3(62.91,96.76) 63.24,96.43 64.21,96.43 64.68,96.9 v3(64.68,98.06)
  BC1 w0.08: v7(68.1,98.56) 68.01,98.46 63.07,98.46 v7(63.05,98.44)
  BC2 w0.08: v1(62.78,95.85) 62.78,96.34 63.05,96.61 v7(63.05,98.44)
Net-(C150-+): length 19.7
  FC2 w0.08: v1(56.87,91.66) 56.79,91.74 U4.4
  BC1 w0.1: v7(51.11,98.11) 51.34,98.34 53.02,98.34 53.45,97.92 v7(53.88,97.92)
  BC1 w0.2: v7(50.22,97.36) 50.22,95.38 49.4,94.56 49.4,93.96 49.72,93.64 56.19,93.64 56.87,92.96 v1(56.87,91.66)
  BC2 w0.15: v7(51.11,98.11) 50.81,97.81 50.67,97.81 v7(50.22,97.36)
Net-(C150--): length 6.8
  BC1 w0.1: v1(52.02,99.21) 53.62,99.21 v7(53.88,99.47) 54.6,99.47 54.86,99.2 57.29,99.2 v7(57.71,98.78)
  BC2 w0.4: v1(52.02,99.21) 52.17,99.06 52.68,99.06 R221.1
Net-(C153-Pad1): length 15.5
  FC1 w0.3: v13(69.59,99.37) 69.24,99.72 69.24,100.08 68.28,101.04 v3(68.28,101.6)
  BC1 w0.3: v13(69.59,99.37) 67.6,97.38 67.6,97.15 67.15,96.7 66.94,96.7 66.33,96.09 65.48,96.09 63.78,94.39 63.78,94.16 62.36,92.74 v9(62.36,91.17)
  BC2 w0.5: R217.1 69.45,100.24 69.45,99.51 v13(69.59,99.37)
Net-(C154-+): length 5.7
  BC1 w0.1: v7(59.47,104.43) 60.63,104.43 60.77,104.29 v7(63.05,104.29)
  BC2 w0.4: v7(59.47,104.43) 59.44,104.4 R227.1 R220.1